# Altium PCB miniBackplane.PcbDoc (part 8 of 24) (continued)
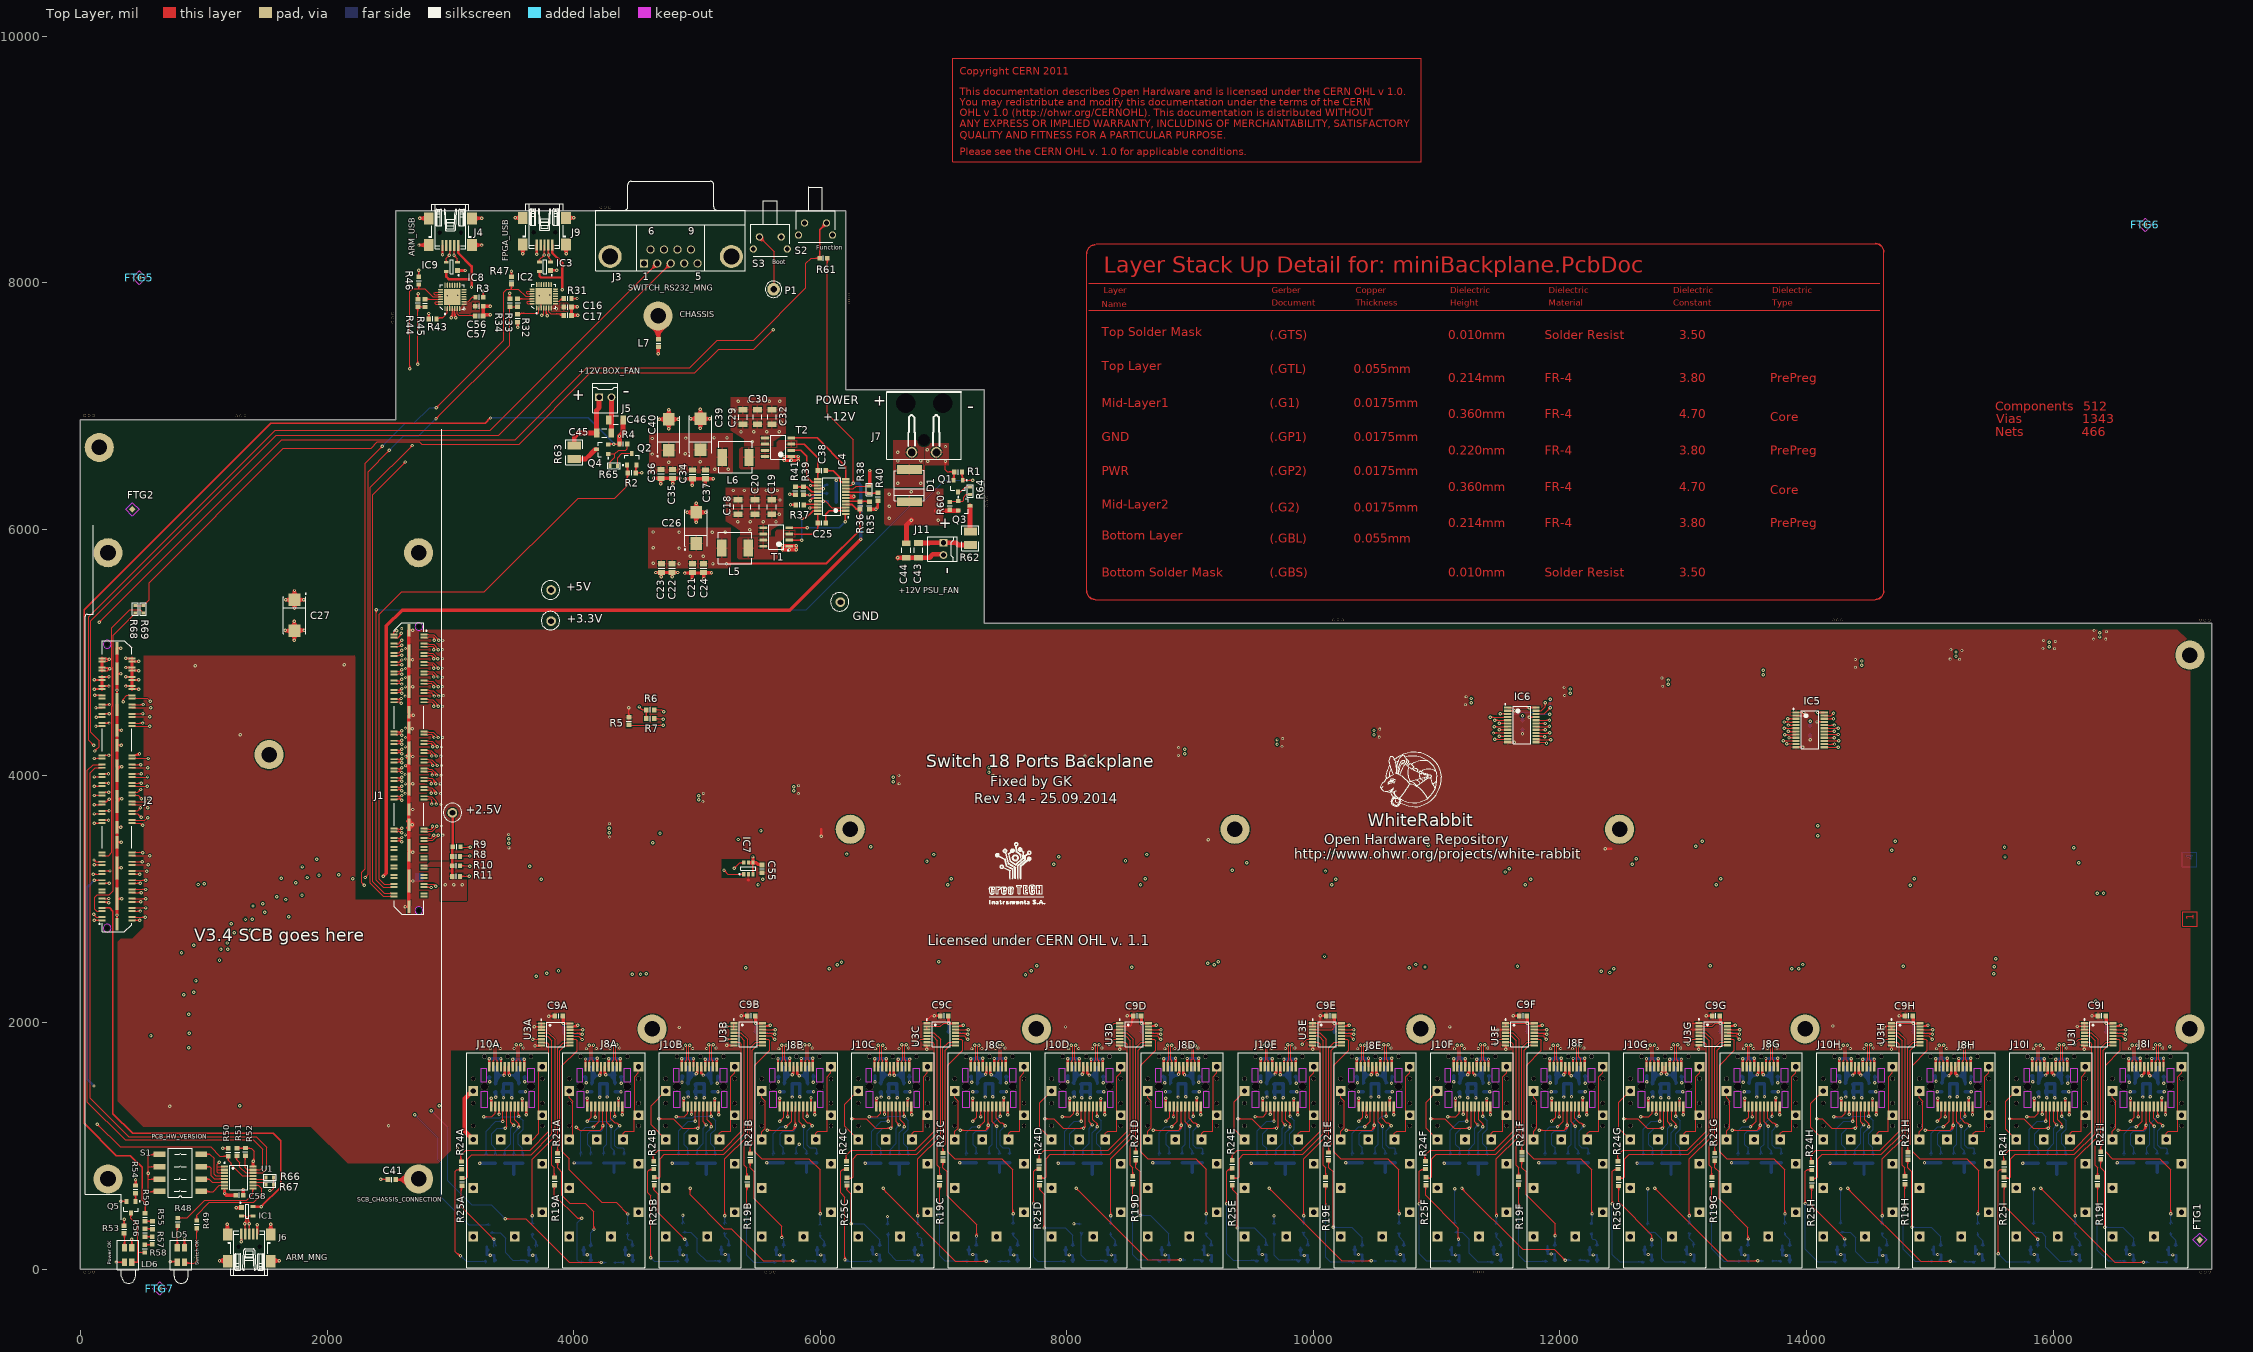
[diagram p0: Top Layer view]
## Nets (pads, with @x,y where several pads share a name; then routed paths per layer and width w, separated by ;. In a path a pad name is that pad's centre, name@x,y a point inside that pad or via, vN(x,y) a via of type N, cw(c..) or ccw(c..) an arc to the next point about the centre after c; other vN are vias at no path point) (continued)
  other v1: 6546.26,426.18
FPGA_GPIO25: J2.10 J10C.2 J10C.8 R26C.1 | length 9544.8
  Top Layer w7.87: J2.10@417.94,2978.79 v1(487.79,2978.79) v1@489,2980 ; v1(6397.18,1235.56) 6462.18,1235.56 6490.16,1263.54 J10C.2@6490.16,1320.05 ; v1@6679.13,1240.61 J10C.8@6679.13,1320.05 ; 448.12,2978.79 ccw(c448.12,2969.29) 441.39,2976.01 cw(c448.12,2969.29) 448.12,2978.79 ; 448.12,2978.79 cw(c448.12,2988.3) 441.39,2981.58 ccw(c448.12,2988.3) 448.12,2978.79 ; 464.03,2978.79 ccw(c464.03,3002.55) 480.83,2985.75 cw(c464.03,3002.55) 464.03,2978.79 ; 464.03,2978.79 cw(c464.03,2955.03) 480.83,2971.83 ccw(c464.03,2955.03) 464.03,2978.79 ; 6420.94,1235.56 ccw(c6420.94,1211.8) 6404.14,1228.6 cw(c6420.94,1211.8) 6420.94,1235.56 ; 6420.94,1235.56 cw(c6420.94,1259.32) 6404.14,1242.52 ccw(c6420.94,1259.32) 6420.94,1235.56 ; J10C.2@6483.48,1284.68 cw(c6467.36,1268.57) 6490.16,1268.57 ccw(c6467.36,1268.57) J10C.2@6483.48,1284.68 ; J10C.8@6672.46,1284.68 cw(c6656.34,1268.57) 6679.13,1268.57 ccw(c6656.34,1268.57) J10C.8@6672.46,1284.68 ; v1@6674.17,1245.58 ccw(c6662.17,1257.57) 6679.13,1257.57 cw(c6662.17,1257.57) v1@6674.17,1245.58 ; 6679.13,1267.19 ccw(c6709.7,1267.19) 6688.09,1245.58 cw(c6709.7,1267.19) 6679.13,1267.19
  Mid-Layer 1 w7.09: v1@879.08,1910.38 ccw(c894.44,1914.57) 890.32,1899.19 ; v1@891.73,1904.53 1355.31,1440.94 2931.1,1440.94 3255.91,1765.75 6113.19,1765.75 6247.18,1631.76 6247.18,1347.82 6358.69,1236.31 v1@6396.43,1236.31 ; v1@882.87,1901.18 cw(c882.87,1871.72) 903.71,1892.55 ccw(c882.87,1871.72) v1@882.87,1901.18 ; v1@893.11,1911.42 ccw(c913.07,1911.42) 898.96,1897.3 cw(c913.07,1911.42) v1@893.11,1911.42 ; 6370.66,1236.31 cw(c6370.66,1209.04) 6389.94,1228.32 ccw(c6370.66,1209.04) 6370.66,1236.31 ; 6374.27,1236.31 ccw(c6374.27,1258.47) 6389.94,1242.8 cw(c6374.27,1258.47) 6374.27,1236.31
  Mid-Layer 2 w7.09: v1(487.79,2978.79) 488.38,2978.2 520.8,2978.2 629,2870 629,2228 882.87,1974.13 v1(882.87,1911.42) ; 882.87,1936.13 ccw(c907.59,1936.13) 890.11,1918.66 cw(c907.59,1936.13) 882.87,1936.13 ; 882.87,1936.13 cw(c858.16,1936.13) 875.64,1918.66 ccw(c858.16,1936.13) 882.87,1936.13 ; v1@495.03,2971.55 cw(c511.08,2955.5) 511.08,2978.2 ccw(c511.08,2955.5) v1@495.03,2971.55 ; v1@495.03,2986.03 ccw(c513.93,3004.93) 513.93,2978.2 cw(c513.93,3004.93) v1@495.03,2986.03
  Bottom Layer w7.87: v1@6397.18,1228.53 6533.07,1228.53 6543.16,1238.62 v1(6681.13,1238.62) 6716.13,1203.62 6716.13,1133.62 6679.13,1096.63 6679.13,1014.93 6711.13,982.94 6711.13,928.21 R26C.1@6716.81,922.53 ; v1@6398.76,1234.38 cw(c6407.6,1227.77) 6413.12,1237.33 ; v1@6404.59,1229.08 cw(c6408.15,1225.96) 6410.51,1230.06 cw(c6414.01,1236.12) v1@6407.02,1235.89 ; v1@6405.06,1229.67 cw(c6414.75,1222.42) 6420.8,1232.9 ; 6657.36,1238.62 ccw(c6657.36,1262.38) 6674.17,1245.58 cw(c6657.36,1262.38) 6657.36,1238.62 ; 6657.36,1238.62 cw(c6657.36,1214.86) 6674.17,1231.66 ccw(c6657.36,1214.86) 6657.36,1238.62 ; 6697.93,1221.82 ccw(c6681.13,1205.02) 6681.13,1228.78 cw(c6681.13,1205.02) 6697.93,1221.82 ; 6697.93,1221.82 cw(c6714.73,1238.62) 6690.97,1238.62 ccw(c6714.73,1238.62) 6697.93,1221.82 ; v1@6398.57,1236.95 ccw(c6418.91,1257.29) 6418.91,1228.53 cw(c6418.91,1257.29) v1@6398.57,1236.95 ; v1@6404.14,1242.52 ccw(c6437.92,1276.3) 6437.92,1228.53 cw(c6437.92,1276.3) v1@6404.14,1242.52 ; R26C.1@6705.1,932.27 ccw(c6690.55,946.82) 6711.13,946.82 cw(c6690.55,946.82) R26C.1@6705.1,932.27 ; 6711.13,945.76 ccw(c6738.07,945.76) 6719.02,926.7 cw(c6738.07,945.76) 6711.13,945.76 ; 6711.13,964.77 ccw(c6757.08,964.77) 6724.59,932.27 cw(c6757.08,964.77) 6711.13,964.77
FPGA_GPIO26: J2.34 R17C.1 | length 11143
  Top Layer w7.87: J2.34@417.94,3616.29 487.71,3616.29 ; v1(504,3600) 487.71,3616.29 ; v1@6510.29,652.72 cw(c6497.55,625.39) 6526.68,633.19 ; v1(6511.13,654.5) 6511.13,646.35 7094.48,63 v1(7346.87,63) ; 448.12,3616.29 ccw(c448.12,3606.79) 441.39,3613.51 cw(c448.12,3606.79) 448.12,3616.29 ; 448.12,3616.29 cw(c448.12,3625.8) 441.39,3619.08 ccw(c448.12,3625.8) 448.12,3616.29 ; 487.71,3616.29 ccw(c503.3,3631.88) 503.78,3609.84 cw(c503.3,3631.88) 487.71,3616.29 ; 487.71,3616.29 cw(c472.12,3600.71) 494.16,3600.22 ccw(c472.12,3600.71) 487.71,3616.29 ; 7323.1,63 ccw(c7323.1,86.76) 7339.91,69.96 cw(c7323.1,86.76) 7323.1,63 ; 7323.1,63 cw(c7323.1,39.24) 7339.91,56.04 ccw(c7323.1,39.24) 7323.1,63 ; v1@6513.09,654.5 ccw(c6537.52,654.5) 6520.25,637.23 cw(c6537.52,654.5) v1@6513.09,654.5 ; v1@6520.97,654.5 ccw(c6564.4,654.5) 6533.69,623.79 cw(c6564.4,654.5) v1@6520.97,654.5
  Mid-Layer 1 w7.09: v1(1248.03,2728.35) 1869.09,2107.28 2729.33,2107.28 3169.29,2547.24 6068.28,2547.24 6081.33,2547.24 6114.17,2547.24 v1(6173.23,2488.19) ; 1265.51,2710.87 ccw(c1248.03,2693.4) 1248.03,2718.11 cw(c1248.03,2693.4) 1265.51,2710.87 ; 1265.51,2710.87 cw(c1282.98,2728.35) 1258.27,2728.35 ccw(c1282.98,2728.35) 1265.51,2710.87 ; 6155.75,2505.66 ccw(c6173.23,2523.14) 6173.23,2498.43 cw(c6173.23,2523.14) 6155.75,2505.66 ; 6155.75,2505.66 cw(c6138.28,2488.19) 6162.99,2488.19 ccw(c6138.28,2488.19) 6155.75,2505.66
  Mid-Layer 2 w7.09: v1(504,3600) 577,3600 1178,2999 1178,2798.38 v1(1248.03,2728.35) ; v1(6173.23,2488.19) 6199.8,2461.61 6199.8,777.94 6235.93,741.81 6425.93,741.81 v1@6512.18,655.56 ; 6498.88,662 ccw(c6514.35,666.14) v1@6510.07,650.71 ; 528.71,3600 ccw(c528.71,3575.29) 511.24,3592.76 cw(c528.71,3575.29) 528.71,3600 ; 528.71,3600 cw(c528.71,3624.71) 511.24,3607.24 ccw(c528.71,3624.71) 528.71,3600 ; 1230.56,2745.82 ccw(c1248.03,2763.3) 1248.03,2738.58 cw(c1248.03,2763.3) 1230.56,2745.82 ; 1230.56,2745.82 cw(c1213.08,2728.35) 1237.8,2728.35 ccw(c1213.08,2728.35) 1230.56,2745.82 ; 6190.7,2470.71 ccw(c6173.23,2453.24) 6173.23,2477.95 cw(c6173.23,2453.24) 6190.7,2470.71 ; 6190.7,2470.71 cw(c6208.18,2488.19) 6183.46,2488.19 ccw(c6208.18,2488.19) 6190.7,2470.71 ; 6492.16,675.58 cw(c6471.08,654.5) 6500.89,654.5 ccw(c6471.08,654.5) 6492.16,675.58 ; 6497.25,670.49 ccw(c6511.13,684.36) 6511.13,664.74 cw(c6511.13,684.36) 6497.25,670.49
  Bottom Layer w7.87: v1(7346.87,63) R17C.1@7378.36,63 ; v1@7351.79,54.48 cw(c7361.99,36.81) R17C.1@7367.27,56.51 ; v1@7351.79,71.52 ccw(c7361.99,89.19) R17C.1@7367.27,69.49 ; v1@7355.88,59.04 cw(c7373.34,51.37) R17C.1@7368.4,69.79 ; v1@7355.88,66.96 ccw(c7373.34,74.63) R17C.1@7368.4,56.21 ; R17C.1@7369.48,59.91 ccw(c7358.76,55.68) 7358.76,67.21 ccw(c7358.76,83.2) R17C.1@7371.4,73.41 ; R17C.1@7369.48,66.09 cw(c7358.76,70.32) 7358.76,58.79 cw(c7358.76,42.8) R17C.1@7371.4,52.59 ; v1@7349.03,63 ccw(c7349.03,96.27) 7372.56,72.74 cw(c7349.03,96.27) v1@7349.03,63 ; v1@7349.03,63 cw(c7349.03,29.73) 7372.56,53.26 ccw(c7349.03,29.73) v1@7349.03,63 ; v1@7353.72,55.93 cw(c7361.74,47.66) R17C.1@7364.73,58.79 ; v1@7353.72,55.93 cw(c7361.74,47.66) R17C.1@7364.73,58.79 ; v1@7353.72,55.93 cw(c7361.74,47.66) R17C.1@7364.73,58.79 ; v1@7353.72,70.06 ccw(c7361.74,78.34) R17C.1@7364.73,67.21 ; v1@7353.72,70.06 ccw(c7361.74,78.34) R17C.1@7364.73,67.21 ; v1@7353.72,70.06 ccw(c7361.74,78.34) R17C.1@7364.73,67.21 ; v1@7356.04,59.42 cw(c7368.07,54.73) R17C.1@7364.73,67.21 ; v1@7356.04,59.42 cw(c7368.07,54.73) R17C.1@7364.73,67.21 ; v1@7356.04,59.42 cw(c7368.07,54.73) R17C.1@7364.73,67.21 ; v1@7356.04,66.58 ccw(c7368.07,71.27) R17C.1@7364.73,58.79 ; v1@7356.04,66.58 ccw(c7368.07,71.27) R17C.1@7364.73,58.79 ; v1@7356.04,66.58 ccw(c7368.07,71.27) R17C.1@7364.73,58.79 ; R17C.1@7370.63,63 ccw(c7370.63,39.24) 7353.83,56.04 cw(c7370.63,39.24) R17C.1@7370.63,63 ; R17C.1@7370.63,63 cw(c7370.63,86.76) 7353.83,69.96 ccw(c7370.63,86.76) R17C.1@7370.63,63
FPGA_GPIO27: J2.36 J8C.2 J8C.8 R12C.1 | length 10864
  Top Layer w7.87: J2.36@417.94,3641.29 418.82,3640.41 523.41,3640.41 v1(545,3662) ; v1@7236.79,1201.61 ccw(c7233.02,1220.02) 7251.17,1215.15 ; v1(7237.18,1199.68) 7270.16,1232.65 J8C.2@7270.16,1320.05 ; v1@7239.11,1199.28 cw(c7257.52,1195.51) 7252.66,1213.67 ; v1(7461.13,1238.62) J8C.8@7461.13,1318.06 ; 7253.98,1216.48 ccw(c7270.79,1199.68) 7247.02,1199.68 cw(c7270.79,1199.68) 7253.98,1216.48 ; 7253.98,1216.48 cw(c7237.18,1233.28) 7237.18,1209.52 ccw(c7237.18,1233.28) 7253.98,1216.48 ; 7270.16,1274.6 ccw(c7255.9,1274.6) 7265.98,1284.68 cw(c7255.9,1274.6) 7270.16,1274.6 ; 7270.16,1274.6 cw(c7284.41,1274.6) 7274.33,1284.68 ccw(c7284.41,1274.6) 7270.16,1274.6 ; 7461.13,1262.38 ccw(c7484.89,1262.38) 7468.09,1245.58 cw(c7484.89,1262.38) 7461.13,1262.38 ; 7461.13,1262.38 cw(c7437.36,1262.38) 7454.17,1245.58 ccw(c7437.36,1262.38) 7461.13,1262.38 ; J2.36@441.39,3644.08 ccw(c450.24,3652.93) 450.24,3640.41 cw(c450.24,3652.93) J2.36@441.39,3644.08 ; J8C.8@7454.96,1284.68 cw(c7440.07,1269.79) 7461.13,1269.79 ccw(c7440.07,1269.79) J8C.8@7454.96,1284.68
  Mid-Layer 1 w7.09: v1(1224.41,2799.21) 1890.75,2132.87 2719.49,2132.87 3149.61,2562.99 6061.76,2562.99 6087.85,2562.99 6889.76,2562.99 v1(6960.71,2492.05) ; 6943.23,2509.52 ccw(c6960.71,2527) 6960.71,2502.28 cw(c6960.71,2527) 6943.23,2509.52 ; 6943.23,2509.52 cw(c6925.76,2492.05) 6950.47,2492.05 ccw(c6925.76,2492.05) 6943.23,2509.52 ; v1@1224.41,2788.98 cw(c1224.41,2764.26) 1241.88,2781.74 ccw(c1224.41,2764.26) v1@1224.41,2788.98 ; v1@1234.65,2799.21 ccw(c1259.36,2799.21) 1241.88,2781.74 cw(c1259.36,2799.21) v1@1234.65,2799.21
  Mid-Layer 2 w7.09: v1(545,3662) 573,3662 1224.41,3010.59 v1(1224.41,2799.21) ; v1(6960.71,2492.05) 6960.71,1762.03 7007.18,1715.56 7007.18,1350.56 7159.12,1198.62 7421.13,1198.62 v1(7461.13,1238.62) ; 569.71,3662 ccw(c569.71,3637.29) 552.24,3654.76 cw(c569.71,3637.29) 569.71,3662 ; 569.71,3662 cw(c569.71,3686.71) 552.24,3669.24 ccw(c569.71,3686.71) 569.71,3662 ; 1224.41,2823.93 ccw(c1249.12,2823.93) 1231.65,2806.45 cw(c1249.12,2823.93) 1224.41,2823.93 ; 1224.41,2823.93 cw(c1199.7,2823.93) 1217.17,2806.45 ccw(c1199.7,2823.93) 1224.41,2823.93 ; 6960.71,2467.33 ccw(c6936,2467.33) 6953.47,2484.81 cw(c6936,2467.33) 6960.71,2467.33 ; 6960.71,2467.33 cw(c6985.42,2467.33) 6967.95,2484.81 ccw(c6985.42,2467.33) 6960.71,2467.33 ; 7443.65,1221.15 ccw(c7426.18,1238.62) 7450.89,1238.62 cw(c7426.18,1238.62) 7443.65,1221.15 ; 7443.65,1221.15 cw(c7461.13,1203.67) 7461.13,1228.39 ccw(c7461.13,1203.67) 7443.65,1221.15 ; 7209.92,1198.62 ccw(c7209.92,1226.94) 7229.94,1206.92 cw(c7209.92,1226.94) 7209.92,1198.62 ; 7215.02,1198.62 cw(c7215.02,1177.51) 7229.94,1192.44 ccw(c7215.02,1177.51) 7215.02,1198.62 ; v1@7244.42,1192.44 cw(c7259.35,1177.51) 7259.35,1198.62 ccw(c7259.35,1177.51) v1@7244.42,1192.44 ; v1@7244.42,1206.92 ccw(c7264.44,1226.94) 7264.44,1198.62 cw(c7264.44,1226.94) v1@7244.42,1206.92
  Bottom Layer w7.87: R12C.1@7371.13,925.12 7371.13,988.62 7396.13,1013.62 7396.13,1173.62 v1(7461.13,1238.62) ; 7371.13,958.38 ccw(c7404.39,958.38) 7380.87,934.86 cw(c7404.39,958.38) 7371.13,958.38 ; 7371.13,958.38 cw(c7337.86,958.38) 7361.38,934.86 ccw(c7337.86,958.38) 7371.13,958.38 ; 7444.32,1221.82 ccw(c7427.52,1238.62) 7451.28,1238.62 cw(c7427.52,1238.62) 7444.32,1221.82 ; 7444.32,1221.82 cw(c7461.13,1205.02) 7461.13,1228.78 ccw(c7461.13,1205.02) 7444.32,1221.82
FPGA_GPIO28: J2.26 R22B.1 | length 8000.9
  Top Layer w7.87: J2.26@417.94,3278.79 418.32,3278.41 550.41,3278.41 v1(550.79,3278.79) v1@551,3279 ; J2.26@441.39,3276.01 cw(c447.19,3270.21) 447.19,3278.41 ccw(c447.19,3270.21) J2.26@441.39,3276.01 ; J2.26@441.39,3281.58 ccw(c449.04,3289.22) 449.04,3278.41 cw(c449.04,3289.22) J2.26@441.39,3281.58
  Mid-Layer 1 w7.09: v1(1139.76,2593.5) 1781.5,1951.77 2789.37,1951.77 3302.17,2464.57 4505.91,2464.57 4542.91,2427.56 v1(4542.91,2392.05) ; 1157.24,2576.03 ccw(c1139.76,2558.56) 1139.76,2583.27 cw(c1139.76,2558.56) 1157.24,2576.03 ; 1157.24,2576.03 cw(c1174.71,2593.5) 1150,2593.5 ccw(c1174.71,2593.5) 1157.24,2576.03 ; 4542.91,2416.76 ccw(c4567.63,2416.76) 4550.15,2399.29 cw(c4567.63,2416.76) 4542.91,2416.76 ; 4542.91,2416.76 cw(c4518.2,2416.76) 4535.68,2399.29 ccw(c4518.2,2416.76) 4542.91,2416.76
  Mid-Layer 2 w7.09: v1(550.79,3278.79) 1002,2827.58 1002,2731.27 v1(1139.76,2593.5) ; v1(4542.91,2392.05) 4542.91,2136.14 4468.5,2061.73 4468.5,1831.12 4617.18,1682.44 4617.18,755.55 4657.18,715.55 4822.18,715.55 4887.18,650.55 v1(4887.18,435.04) ; 568.27,3261.32 ccw(c550.79,3243.84) 550.79,3268.56 cw(c550.79,3243.84) 568.27,3261.32 ; 568.27,3261.32 cw(c585.74,3278.79) 561.03,3278.79 ccw(c585.74,3278.79) 568.27,3261.32 ; 1122.29,2610.98 ccw(c1139.76,2628.45) 1139.76,2603.74 cw(c1139.76,2628.45) 1122.29,2610.98 ; 1122.29,2610.98 cw(c1104.82,2593.5) 1129.53,2593.5 ccw(c1104.82,2593.5) 1122.29,2610.98 ; 4542.91,2367.33 ccw(c4518.2,2367.33) 4535.68,2384.81 cw(c4518.2,2367.33) 4542.91,2367.33 ; 4542.91,2367.33 cw(c4567.63,2367.33) 4550.15,2384.81 ccw(c4567.63,2367.33) 4542.91,2367.33 ; 4887.18,459.75 ccw(c4911.89,459.75) 4894.42,442.28 cw(c4911.89,459.75) 4887.18,459.75 ; 4887.18,459.75 cw(c4862.47,459.75) 4879.94,442.28 ccw(c4862.47,459.75) 4887.18,459.75
  Bottom Layer w7.87: R22B.1@4886.24,362.2 4887.18,363.15 v1(4887.18,435.04) ; 4887.18,411.28 ccw(c4863.42,411.28) 4880.22,428.08 cw(c4863.42,411.28) 4887.18,411.28 ; 4887.18,411.28 cw(c4910.94,411.28) 4894.14,428.08 ccw(c4910.94,411.28) 4887.18,411.28 ; R22B.1@4876.49,371.95 ccw(c4850.69,397.75) 4887.18,397.75 cw(c4850.69,397.75) R22B.1@4876.49,371.95 ; 4887.18,393.19 ccw(c4917.22,393.19) 4895.98,371.95 cw(c4917.22,393.19) 4887.18,393.19
FPGA_GPIO29: J2.8 J10B.2 J10B.8 R26B.1 | length 7587.8
  Top Layer w7.87: J2.8@417.94,2928.79 418.53,2929.38 530.62,2929.38 v1(531.21,2928.79) v1@534,2926 ; v1(4832.18,1235.55) 4897.18,1235.55 4925.16,1263.53 J10B.2@4925.16,1320.04 ; v1@5114.13,1240.61 J10B.8@5114.13,1320.04 ; 4855.94,1235.55 ccw(c4855.94,1211.79) 4839.14,1228.59 cw(c4855.94,1211.79) 4855.94,1235.55 ; 4855.94,1235.55 cw(c4855.94,1259.31) 4839.14,1242.51 ccw(c4855.94,1259.31) 4855.94,1235.55 ; 4925.16,1274.6 ccw(c4910.9,1274.6) 4920.98,1284.68 cw(c4910.9,1274.6) 4925.16,1274.6 ; 4925.16,1274.6 cw(c4939.41,1274.6) 4929.33,1284.68 ccw(c4939.41,1274.6) 4925.16,1274.6 ; 5114.13,1274.6 ccw(c5099.88,1274.6) 5109.96,1284.68 cw(c5099.88,1274.6) 5114.13,1274.6 ; 5114.13,1274.6 cw(c5128.39,1274.6) 5118.31,1284.68 ccw(c5128.39,1274.6) 5114.13,1274.6 ; J2.8@441.39,2926.01 cw(c449.54,2917.86) 449.54,2929.38 ccw(c449.54,2917.86) J2.8@441.39,2926.01 ; J2.8@441.39,2931.58 ccw(c446.69,2936.87) 446.69,2929.38 cw(c446.69,2936.87) J2.8@441.39,2931.58 ; 506.02,2929.38 cw(c506.02,2903.6) 524.25,2921.83 ccw(c506.02,2903.6) 506.02,2929.38 ; 508.87,2929.38 ccw(c508.87,2951.13) 524.25,2935.75 cw(c508.87,2951.13) 508.87,2929.38 ; v1@5109.17,1245.57 ccw(c5097.17,1257.57) 5114.13,1257.57 cw(c5097.17,1257.57) v1@5109.17,1245.57 ; 5114.13,1267.19 ccw(c5144.7,1267.19) 5123.09,1245.57 cw(c5144.7,1267.19) 5114.13,1267.19
  Mid-Layer 1 w7.09: v1@877.95,1797.24 1300.2,1375 3259.84,1375 3279.84,1355 3658,1355 3702.96,1310.04 4757.69,1310.04 v1@4831.43,1236.3 ; 896.41,1778.79 ccw(c878.94,1761.31) 878.94,1786.02 cw(c878.94,1761.31) 896.41,1778.79 ; 896.41,1778.79 cw(c913.89,1796.26) 889.17,1796.26 ccw(c913.89,1796.26) 896.41,1778.79 ; 4814.71,1253.03 ccw(c4832.18,1270.5) 4832.18,1245.79 cw(c4832.18,1270.5) 4814.71,1253.03 ; 4814.71,1253.03 cw(c4797.23,1235.55) 4821.94,1235.55 ccw(c4797.23,1235.55) 4814.71,1253.03
  Mid-Layer 2 w7.09: v1(531.21,2928.79) 608,2852 608,2114 878.94,1843.06 v1(878.94,1796.26) ; 548.68,2911.32 ccw(c531.21,2893.84) 531.21,2918.56 cw(c531.21,2893.84) 548.68,2911.32 ; 548.68,2911.32 cw(c566.16,2928.79) 541.44,2928.79 ccw(c566.16,2928.79) 548.68,2911.32 ; 878.94,1820.97 ccw(c903.65,1820.97) 886.18,1803.5 cw(c903.65,1820.97) 878.94,1820.97 ; 878.94,1820.97 cw(c854.22,1820.97) 871.7,1803.5 ccw(c854.22,1820.97) 878.94,1820.97
  Bottom Layer w7.87: v1@4832.18,1228.52 4968.07,1228.52 4978.16,1238.61 v1(5116.13,1238.61) 5151.13,1203.61 5151.13,1133.61 5114.13,1096.62 5114.13,1014.92 5146.13,982.93 5146.13,928.2 R26B.1@5151.81,922.52 ; v1@4833.76,1234.37 cw(c4842.6,1227.76) 4848.12,1237.32 ; v1@4839.59,1229.07 cw(c4843.15,1225.95) 4845.51,1230.05 cw(c4849.01,1236.11) v1@4842.02,1235.88 ; v1@4840.06,1229.66 cw(c4849.75,1222.42) 4855.8,1232.89 ; 5092.36,1238.61 ccw(c5092.36,1262.38) 5109.17,1245.57 cw(c5092.36,1262.38) 5092.36,1238.61 ; 5092.36,1238.61 cw(c5092.36,1214.85) 5109.17,1231.65 ccw(c5092.36,1214.85) 5092.36,1238.61 ; 5132.93,1221.81 ccw(c5116.13,1205.01) 5116.13,1228.77 cw(c5116.13,1205.01) 5132.93,1221.81 ; 5132.93,1221.81 cw(c5149.73,1238.61) 5125.97,1238.61 ccw(c5149.73,1238.61) 5132.93,1221.81 ; v1@4833.57,1236.94 ccw(c4853.91,1257.28) 4853.91,1228.52 cw(c4853.91,1257.28) v1@4833.57,1236.94 ; v1@4839.14,1242.51 ccw(c4872.92,1276.29) 4872.92,1228.52 cw(c4872.92,1276.29) v1@4839.14,1242.51 ; R26B.1@5140.1,932.26 ccw(c5125.55,946.81) 5146.13,946.81 cw(c5125.55,946.81) R26B.1@5140.1,932.26 ; 5146.13,945.75 ccw(c5173.07,945.75) 5154.02,926.7 cw(c5173.07,945.75) 5146.13,945.75 ; 5146.13,964.76 ccw(c5192.08,964.76) 5159.59,932.26 cw(c5192.08,964.76) 5146.13,964.76
FPGA_GPIO30: J2.28 R17B.1 | length 9342.8
  Top Layer w7.87: J2.28@417.94,3303.79 480.21,3303.79 481,3303 ; v1(501,3304) 500,3303 481,3303 ; v1(4946.13,654.5) 4946.13,601.53 5219.04,328.61 5278.09,328.61 5539.78,66.93 v1(5776,66.93) ; 448.12,3303.79 ccw(c448.12,3294.29) 441.39,3301.01 cw(c448.12,3294.29) 448.12,3303.79 ; 448.12,3303.79 cw(c448.12,3313.3) 441.39,3306.58 ccw(c448.12,3313.3) 448.12,3303.79 ; 481,3303 ccw(c481,3317.02) 492.75,3309.37 cw(c481,3317.02) 481,3303 ; 481,3303 cw(c481,3285.81) 493.72,3297.38 ccw(c481,3285.81) 481,3303 ; 4946.13,630.73 ccw(c4922.36,630.73) 4939.17,647.54 cw(c4922.36,630.73) 4946.13,630.73 ; 4946.13,630.73 cw(c4969.89,630.73) 4953.09,647.54 ccw(c4969.89,630.73) 4946.13,630.73 ; 5752.24,66.93 ccw(c5752.24,90.69) 5769.04,73.89 cw(c5752.24,90.69) 5752.24,66.93 ; 5752.24,66.93 cw(c5752.24,43.17) 5769.04,59.97 ccw(c5752.24,43.17) 5752.24,66.93
  Mid-Layer 1 w7.09: v1(1194.88,2592.52) 1802.17,1985.24 2777.39,1985.24 3272.47,2480.31 4551.18,2480.31 4590.71,2440.79 v1(4590.71,2393.7) ; 1212.36,2575.05 ccw(c1194.88,2557.57) 1194.88,2582.28 cw(c1194.88,2557.57) 1212.36,2575.05 ; 1212.36,2575.05 cw(c1229.83,2592.52) 1205.12,2592.52 ccw(c1229.83,2592.52) 1212.36,2575.05 ; 4590.71,2418.41 ccw(c4615.42,2418.41) 4597.95,2400.94 cw(c4615.42,2418.41) 4590.71,2418.41 ; 4590.71,2418.41 cw(c4566,2418.41) 4583.47,2400.94 ccw(c4566,2418.41) 4590.71,2418.41
  Mid-Layer 2 w7.09: v1(501,3304) 501.38,3304.38 588.62,3304.38 1045,2848 1045,2742.4 v1(1194.88,2592.52) ; v1(4590.71,2393.7) 4590.71,2126.14 4492.13,2027.56 4492.13,1854.33 4642.18,1704.28 4642.18,770.55 4670.93,741.8 4860.93,741.8 v1@4947.18,655.55 ; 4933.88,661.99 ccw(c4949.35,666.14) v1@4945.07,650.7 ; 1177.41,2609.99 ccw(c1194.88,2627.47) 1194.88,2602.76 cw(c1194.88,2627.47) 1177.41,2609.99 ; 1177.41,2609.99 cw(c1159.93,2592.52) 1184.65,2592.52 ccw(c1159.93,2592.52) 1177.41,2609.99 ; 4590.71,2368.99 ccw(c4566,2368.99) 4583.47,2386.46 cw(c4566,2368.99) 4590.71,2368.99 ; 4590.71,2368.99 cw(c4615.42,2368.99) 4597.95,2386.46 ccw(c4615.42,2368.99) 4590.71,2368.99 ; v1@508.24,3296.76 cw(c526.63,3278.37) 526.63,3304.38 ccw(c526.63,3278.37) v1@508.24,3296.76 ; v1@508.24,3311.24 ccw(c524.79,3327.79) 524.79,3304.38 cw(c524.79,3327.79) v1@508.24,3311.24 ; 4927.16,675.57 cw(c4906.08,654.5) 4935.89,654.5 ccw(c4906.08,654.5) 4927.16,675.57 ; 4932.25,670.48 ccw(c4946.13,684.35) 4946.13,664.73 cw(c4946.13,684.35) 4932.25,670.48
  Bottom Layer w7.87: v1(5776,66.93) R17B.1@5815.37,66.93 ; v1@5782.1,66.93 ccw(c5782.1,100.2) 5805.63,76.67 cw(c5782.1,100.2) v1@5782.1,66.93 ; v1@5782.1,66.93 cw(c5782.1,33.66) 5805.63,57.19 ccw(c5782.1,33.66) v1@5782.1,66.93 ; v1@5782.78,59.79 cw(c5792.46,49.61) 5796.09,63.18 ; v1@5782.78,59.79 cw(c5792.46,49.61) 5796.09,63.18 ; v1@5782.78,59.79 cw(c5792.46,49.61) 5796.09,63.18 ; v1@5782.78,74.06 ccw(c5792.46,84.25) 5796.09,70.68 ; v1@5782.78,74.06 ccw(c5792.46,84.25) 5796.09,70.68 ; v1@5782.78,74.06 ccw(c5792.46,84.25) 5796.09,70.68 ; v1@5784.52,62.01 cw(c5800.43,52.82) 5795.68,70.57 ; v1@5784.52,62.01 cw(c5800.43,52.82) 5795.68,70.57 ; v1@5784.52,62.01 cw(c5800.43,52.82) 5795.68,70.57 ; v1@5784.52,71.85 ccw(c5800.43,81.03) 5795.68,63.29 ; v1@5784.52,71.85 ccw(c5800.43,81.03) 5795.68,63.29 ; v1@5784.52,71.85 ccw(c5800.43,81.03) 5795.68,63.29 ; R17B.1@5799.76,66.93 ccw(c5799.76,43.17) 5782.96,59.97 cw(c5799.76,43.17) R17B.1@5799.76,66.93 ; R17B.1@5799.76,66.93 cw(c5799.76,90.69) 5782.96,73.89 ccw(c5799.76,90.69) R17B.1@5799.76,66.93
FPGA_GPIO31: J2.30 J8B.2 J8B.8 R12B.1 | length 9135.3
  Top Layer w7.87: J2.30@417.94,3353.79 419.32,3352.41 560.83,3352.41 v1(562.21,3353.79) v1@563,3353 ; v1@5671.79,1201.6 ccw(c5668.02,1220.01) 5686.17,1215.15 ; v1(5672.18,1199.67) 5705.16,1232.65 J8B.2@5705.16,1320.04 ; v1@5674.11,1199.27 cw(c5692.52,1195.5) 5687.66,1213.66 ; v1(5896.13,1238.61) J8B.8@5896.13,1318.05 ; 5688.98,1216.47 ccw(c5705.79,1199.67) 5682.02,1199.67 cw(c5705.79,1199.67) 5688.98,1216.47 ; 5688.98,1216.47 cw(c5672.18,1233.27) 5672.18,1209.51 ccw(c5672.18,1233.27) 5688.98,1216.47 ; 5705.16,1274.6 ccw(c5690.9,1274.6) 5700.98,1284.68 cw(c5690.9,1274.6) 5705.16,1274.6 ; 5705.16,1274.6 cw(c5719.41,1274.6) 5709.33,1284.68 ccw(c5719.41,1274.6) 5705.16,1274.6 ; 5896.13,1262.38 ccw(c5919.89,1262.38) 5903.09,1245.57 cw(c5919.89,1262.38) 5896.13,1262.38 ; 5896.13,1262.38 cw(c5872.36,1262.38) 5889.17,1245.57 ccw(c5872.36,1262.38) 5896.13,1262.38 ; J2.30@441.39,3356.58 ccw(c451.45,3366.63) 451.45,3352.41 cw(c451.45,3366.63) J2.30@441.39,3356.58 ; J8B.8@5889.96,1284.68 cw(c5875.07,1269.79) 5896.13,1269.79 ccw(c5875.07,1269.79) J8B.8@5889.96,1284.68
  Mid-Layer 1 w7.09: v1(1190.94,2644.68) 1816.93,2018.7 2752.95,2018.7 3230.31,2496.06 5342.52,2496.06 v1(5395.71,2442.87) ; 1208.42,2627.21 ccw(c1190.94,2609.74) 1190.94,2634.45 cw(c1190.94,2609.74) 1208.42,2627.21 ; 1208.42,2627.21 cw(c1225.89,2644.68) 1201.18,2644.68 ccw(c1225.89,2644.68) 1208.42,2627.21 ; 5378.23,2460.35 ccw(c5395.71,2477.82) 5395.71,2453.11 cw(c5395.71,2477.82) 5378.23,2460.35 ; 5378.23,2460.35 cw(c5360.76,2442.87) 5385.47,2442.87 ccw(c5360.76,2442.87) 5378.23,2460.35
  Mid-Layer 2 w7.09: v1(562.21,3353.79) 603.21,3353.79 1084,2873 1084,2751.63 v1(1190.94,2644.68) ; v1(5395.71,2442.87) 5395.71,1911.38 5442.18,1864.91 5442.18,1350.55 5594.12,1198.61 5831.13,1198.61 ; v1(5831.13,1013.61) 5831.13,1198.61 ; v1(5896.13,1238.61) 5856.13,1198.61 5831.13,1198.61 ; 586.92,3353.79 ccw(c586.92,3329.08) 569.45,3346.55 cw(c586.92,3329.08) 586.92,3353.79 ; 586.92,3353.79 cw(c586.92,3378.5) 569.45,3361.03 ccw(c586.92,3378.5) 586.92,3353.79 ; 1173.47,2662.16 ccw(c1190.94,2679.63) 1190.94,2654.92 cw(c1190.94,2679.63) 1173.47,2662.16 ; 1173.47,2662.16 cw(c1156,2644.68) 1180.71,2644.68 ccw(c1156,2644.68) 1173.47,2662.16 ; 5395.71,2418.16 ccw(c5371,2418.16) 5388.47,2435.64 cw(c5371,2418.16) 5395.71,2418.16 ; 5395.71,2418.16 cw(c5420.42,2418.16) 5402.95,2435.64 ccw(c5420.42,2418.16) 5395.71,2418.16 ; 5831.13,1038.33 ccw(c5855.84,1038.33) 5838.36,1020.85 cw(c5855.84,1038.33) 5831.13,1038.33 ; 5831.13,1038.33 cw(c5806.41,1038.33) 5823.89,1020.85 ccw(c5806.41,1038.33) 5831.13,1038.33 ; 5878.65,1221.14 ccw(c5861.18,1238.61) 5885.89,1238.61 cw(c5861.18,1238.61) 5878.65,1221.14 ; 5878.65,1221.14 cw(c5896.13,1203.67) 5896.13,1228.38 ccw(c5896.13,1203.67) 5878.65,1221.14 ; 5644.92,1198.61 ccw(c5644.92,1226.93) 5664.94,1206.91 cw(c5644.92,1226.93) 5644.92,1198.61 ; 5650.02,1198.61 cw(c5650.02,1177.5) 5664.94,1192.43 ccw(c5650.02,1177.5) 5650.02,1198.61 ; v1@5679.42,1192.43 cw(c5694.35,1177.5) 5694.35,1198.61 ccw(c5694.35,1177.5) v1@5679.42,1192.43 ; v1@5679.42,1206.91 ccw(c5699.44,1226.93) 5699.44,1198.61 cw(c5699.44,1226.93) v1@5679.42,1206.91
  Bottom Layer w7.87: R12B.1@5806.13,925.11 5806.13,988.61 v1(5831.13,1013.61) ; 5806.13,958.38 ccw(c5839.39,958.38) 5815.87,934.85 cw(c5839.39,958.38) 5806.13,958.38 ; 5806.13,958.38 cw(c5772.86,958.38) 5796.38,934.85 ccw(c5772.86,958.38) 5806.13,958.38 ; 5814.32,996.81 ccw(c5797.52,1013.61) 5821.28,1013.61 cw(c5797.52,1013.61) 5814.32,996.81 ; 5814.32,996.81 cw(c5831.13,980.01) 5831.13,1003.77 ccw(c5831.13,980.01) 5814.32,996.81
FPGA_GPIO32: J2.6 R17A.1 | length 6729.4
  Top Layer w7.87: J2.6@417.94,2903.79 v1(485.79,2903.79) ; v1@3443.83,407.79 3610.25,407.79 3964.58,53.46 v1(4224.42,53.46) ; 448.12,2903.79 ccw(c448.12,2894.29) 441.39,2901.01 cw(c448.12,2894.29) 448.12,2903.79 ; 448.12,2903.79 cw(c448.12,2913.3) 441.39,2906.58 ccw(c448.12,2913.3) 448.12,2903.79 ; 462.03,2903.79 ccw(c462.03,2927.55) 478.83,2910.75 cw(c462.03,2927.55) 462.03,2903.79 ; 462.03,2903.79 cw(c462.03,2880.03) 478.83,2896.83 ccw(c462.03,2880.03) 462.03,2903.79 ; 4200.66,53.46 ccw(c4200.66,77.23) 4217.47,60.42 cw(c4200.66,77.23) 4200.66,53.46 ; 4200.66,53.46 cw(c4200.66,29.7) 4217.47,46.5 ccw(c4200.66,29.7) 4200.66,53.46 ; v1@3451.84,399.79 cw(c3471.17,380.46) 3471.17,407.79 ccw(c3471.17,380.46) v1@3451.84,399.79 ; v1@3451.84,413.71 ccw(c3466.12,427.98) 3466.12,407.79 cw(c3466.12,427.98) v1@3451.84,413.71
  Mid-Layer 2 w7.09: v1(485.79,2903.79) 486.38,2903.2 524.8,2903.2 581,2847 581,2024 987,1618 2512.71,1618 v1(2845.71,1285) ; 2828.23,1302.47 ccw(c2845.71,1319.95) 2845.71,1295.24 cw(c2845.71,1319.95) 2828.23,1302.47 ; 2828.23,1302.47 cw(c2810.76,1285) 2835.47,1285 ccw(c2810.76,1285) 2828.23,1302.47 ; v1@493.03,2896.55 cw(c509.08,2880.5) 509.08,2903.2 ccw(c509.08,2880.5) v1@493.03,2896.55 ; v1@493.03,2911.03 ccw(c511.93,2929.93) 511.93,2903.2 cw(c511.93,2929.93) v1@493.03,2911.03
  Bottom Layer w7.87: v1@2844.06,1285 2977.54,1151.51 2977.54,716.46 3173.7,520.3 3331.33,520.3 v1(3444.88,406.75) ; v1@2845.21,1283.1 cw(c2839.88,1262.94) 2860.02,1268.34 ; v1@4233.47,49.59 cw(c4243.42,45.32) R17A.1@4243.42,56.15 ; 4241.71,56.15 cw(c4241.71,70.75) v1@4231.38,60.42 ; R17A.1@4246.58,47.82 ccw(c4235.1,44.64) 4238.18,56.15 ccw(c4240.8,65.93) R17A.1@4248.87,59.81 ; R17A.1@4263.8,53.46 v1(4224.42,53.46) ; 3428.08,423.55 ccw(c3444.88,440.35) 3444.88,416.59 cw(c3444.88,440.35) 3428.08,423.55 ; 3428.08,423.55 cw(c3411.28,406.75) 3435.04,406.75 ccw(c3411.28,406.75) 3428.08,423.55 ; v1(4224.42,53.46) cw(c4224.43,19.51) 4249.63,42.26 ccw(c4224.43,19.51) v1(4224.42,53.46) ; v1@4231.2,46.32 cw(c4238.61,38.51) 4241.4,48.92 ; v1@4231.2,46.32 cw(c4238.61,38.51) 4241.4,48.92 ; v1@4231.2,46.32 cw(c4238.61,38.51) 4241.4,48.92 ; v1@4231.38,60.42 ccw(c4248.19,77.23) R17A.1@4248.19,53.46 ; v1@4231.38,60.42 ccw(c4248.19,77.23) R17A.1@4248.19,53.46 ; v1@4232.26,59.42 ccw(c4239.32,64.79) 4241.62,56.22 ; v1@4232.26,59.42 ccw(c4239.32,64.79) 4241.62,56.22 ; v1@4232.26,59.42 ccw(c4239.32,64.79) 4241.62,56.22 ; v1@4233.34,49.28 cw(c4244.94,43.84) 4241.62,56.22 ; v1@4233.34,49.28 cw(c4244.94,43.84) 4241.62,56.22 ; v1@4233.34,49.28 cw(c4244.94,43.84) 4241.62,56.22 ; v1@4233.86,56.26 ccw(c4244.19,59.32) 4241.4,48.92 ; v1@4233.86,56.26 ccw(c4244.19,59.32) 4241.4,48.92 ; v1@4233.86,56.26 ccw(c4244.19,59.32) 4241.4,48.92 ; R17A.1@4248.19,53.46 ccw(c4248.19,29.7) 4231.38,46.5 cw(c4248.19,29.7) R17A.1@4248.19,53.46 ; v1@2845.71,1275.16 cw(c2845.71,1255.39) 2859.69,1269.37 ccw(c2845.71,1255.39) v1@2845.71,1275.16 ; v1@2855.55,1285 ccw(c2883.3,1285) 2863.68,1265.38 cw(c2883.3,1285) v1@2855.55,1285 ; v1@4231.34,53.46 ccw(c4231.34,80.01) 4250.11,61.24 cw(c4231.34,80.01) v1@4231.34,53.46 ; R17A.1@4242.14,53.46 cw(c4242.14,35.5) 4255.47,47.54 ccw(c4242.14,35.5) R17A.1@4242.14,53.46